# Altium PCB bqZUM_BT_328.PcbDoc (part 2 of 2)
Units mm, origin at the board's own origin, x right, y up, seen from the top; angles counter-clockwise.
Board outline 68.58 x 53.34 mm, 2 copper layers (Top Layer, Bottom Layer), stack 1.571 mm thick; 101 components, 75 nets, 426 pads, 143 vias.
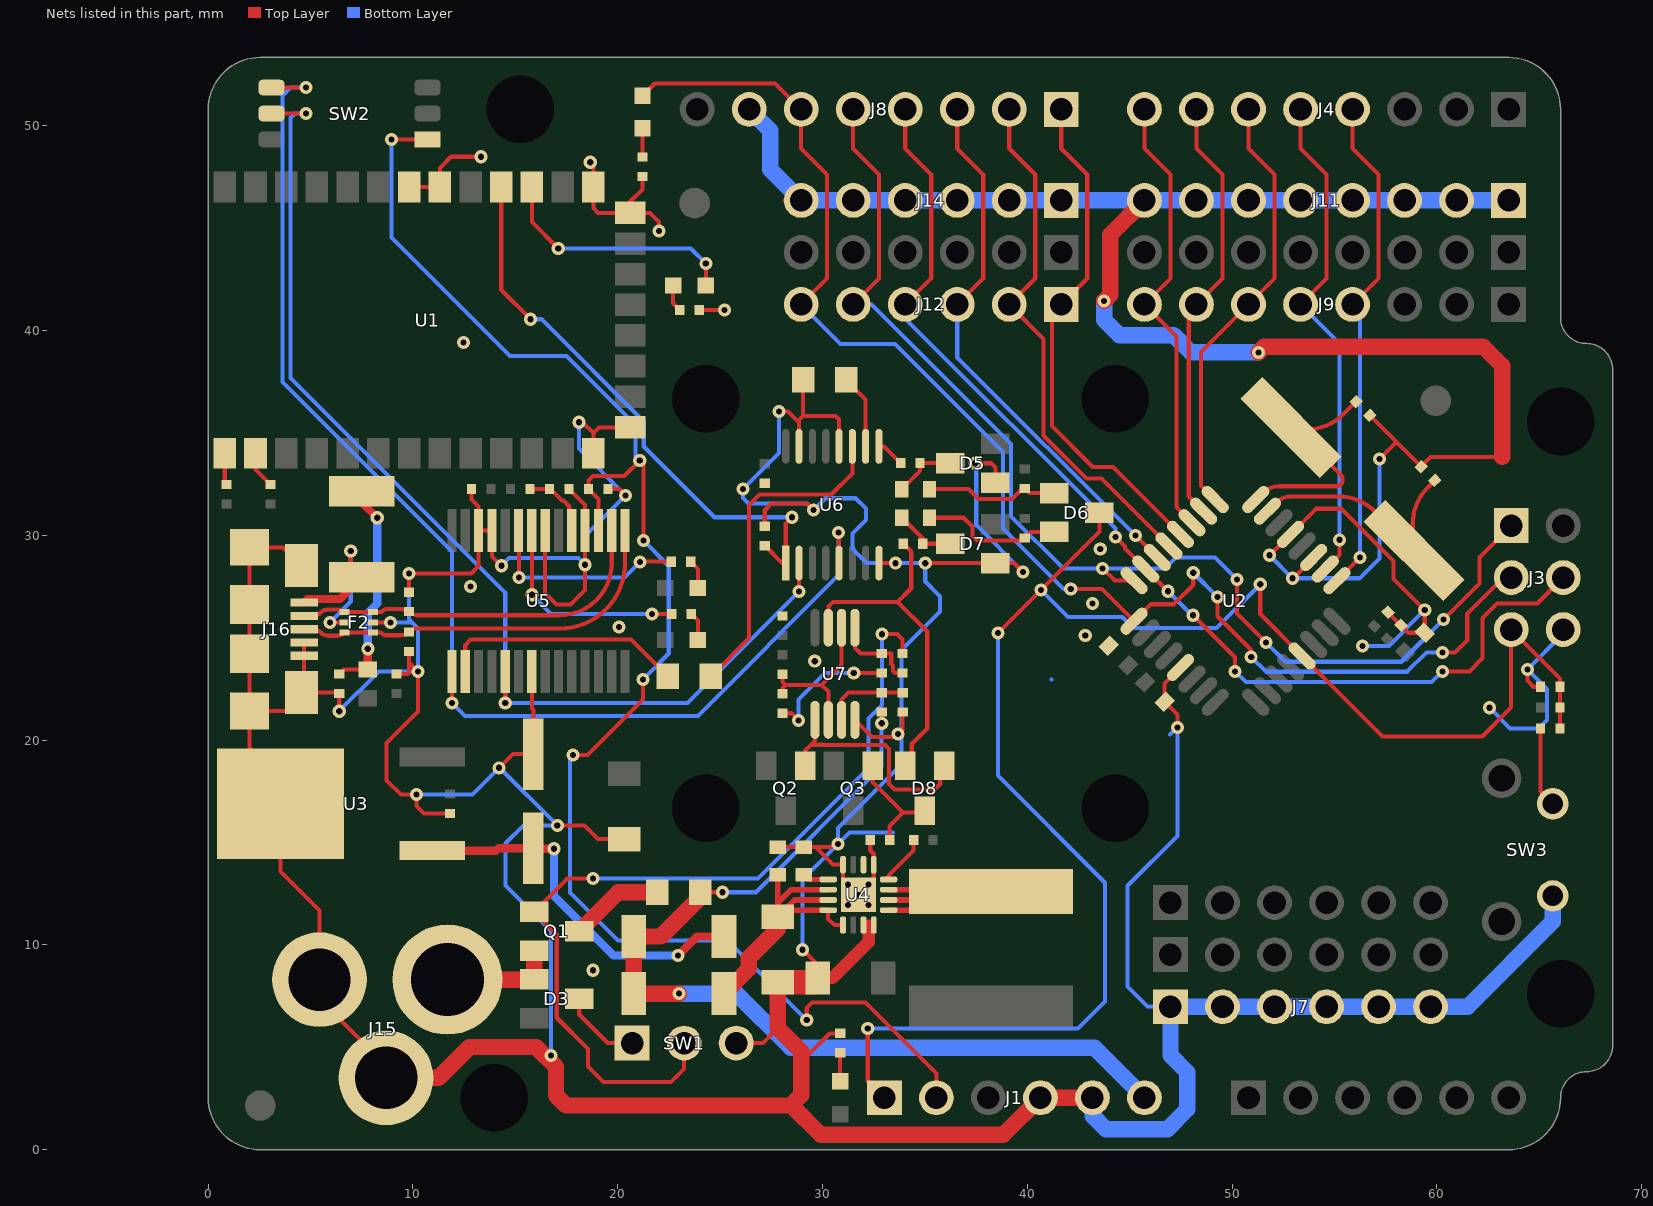
[diagram p2: the nets of this part, all layers, seen from the top]

## Via types
v1: diameter 0.64, hole 0.3, Top Layer to Bottom Layer, 143 vias

## Nets (pads, with @x,y where several pads share a name; then routed paths per layer and width w, separated by ;. In a path a pad name is that pad's centre, name@x,y a point inside that pad or via, vN(x,y) a via of type N, cw(c..) or ccw(c..) an arc to the next point about the centre after c; other vN are vias at no path point) (continued)
D3: J4.4 J9.4 U2.1 | length 24.7
  Top Layer w0.2: U2.1@55.115,27.787 v1(56.245,28.917) ; J9.4@55.88,41.275 57.15,42.545 57.15,47.625 55.88,48.895 J4.4@55.88,50.8
  Bottom Layer w0.2: J9.4@55.88,41.275 56.245,40.91 v1(56.245,28.917)
D4: J4.5 J9.5 U2.2 | length 24.6
  Top Layer w0.2: J9.5@53.34,41.275 54.61,42.545 54.61,47.625 53.34,48.895 J4.5@53.34,50.8 ; U2.2@54.549,28.353 55.244,29.048 v1(55.244,29.783)
  Bottom Layer w0.2: J9.5@53.34,41.275 55.244,39.371 v1(55.244,29.783)
D5: J4.6 J9.6 U2.9 | length 21.4
  Top Layer w0.2: U2.9@49.175,31.747 48.48,32.442 48.48,38.955 J9.6@50.8,41.275 52.07,42.545 52.07,47.625 50.8,48.895 J4.6@50.8,50.8
D6: J4.7 J9.7 U2.10 | length 20.8
  Top Layer w0.2: J9.7@48.032,41.047 47.882,40.897 47.882,31.908 U2.10@48.609,31.181 ; J9.7@48.26,41.275 49.53,42.545 49.53,47.625 48.26,48.895 J4.7@48.26,50.8
D7: J4.8 J9.8 U2.11 | length 22.2
  Top Layer w0.2: J4.8@45.72,50.8 45.72,48.895 46.99,47.625 46.99,42.545 J9.8@45.72,41.275 47.279,39.716 47.279,31.38 U2.11@48.044,30.615
D8: J8.1 J12.1 U2.12 | length 25.2
  Top Layer w0.2: J8.1@41.656,50.8 41.656,48.895 42.926,47.625 42.926,42.545 J12.1@41.656,41.275 41.197,40.816 41.197,35.336 43.195,33.338 44.19,33.338 U2.12@47.478,30.05
D9: J8.2 J12.2 U2.13 | length 26
  Top Layer w0.2: J8.2@39.116,50.8 39.116,48.895 40.386,47.625 40.386,42.545 J12.2@39.116,41.275 40.793,39.598 40.793,34.865 42.883,32.775 43.621,32.775 U2.13@46.912,29.484
D10: J8.3 J12.3 U2.14 | length 27
  Top Layer w0.2: J12.3@36.576,41.275 37.846,42.545 37.846,47.625 36.576,48.895 J8.3@36.576,50.8 ; v1(45.275,29.99) U2.14@46.347,28.918
  Bottom Layer w0.2: J12.3@36.576,41.275 36.576,38.689 v1(45.275,29.99)
D11: J3.4 J8.4 J12.4 U2.15 | length 54.7
  Top Layer w0.2: J12.4@34.036,41.275 35.306,42.545 35.306,47.625 34.036,48.895 J8.4@34.036,50.8 ; v1(44.297,29.925) 44.776,29.446 44.776,29.358 U2.15@45.781,28.353 ; U2.15@45.791,28.353 v1(46.873,27.271) ; v1(48.091,26.099) 50.142,24.048 v1(50.142,23.356) ; v1(60.269,23.357) 61.587,23.357 62.231,24.001 62.231,25.966 62.938,26.673 64.9,26.673 J3.4@66.167,27.94
  Bottom Layer w0.2: J12.4@34.036,41.275 34.036,40.6 44.297,30.339 v1(44.297,29.925) ; v1(46.873,27.271) v1@48.045,26.099 ; v1@48.036,26.099 v1@48.045,26.099 ; v1(48.091,26.099) v1@48.045,26.099 ; v1@50.143,23.357 50.669,22.831 59.743,22.831 v1(60.269,23.357) v1@60.268,23.356
D12: J3.1 J8.5 J12.5 U2.16 | length 58.7
  Top Layer w0.2: J12.5@31.496,41.275 32.766,42.545 32.766,47.625 31.496,48.895 J8.5@31.496,50.8 ; v1(43.678,28.379) 44.27,27.787 U2.16@45.215,27.787 ; v1(50.238,27.851) 50.238,26.188 v1(51.662,24.764) ; v1(60.327,25.896) 62.077,27.646 62.077,28.93 J3.1@63.627,30.48
  Bottom Layer w0.2: J12.5@31.496,41.275 32.4,41.275 39.21,34.465 39.21,30.931 41.762,28.379 v1(43.678,28.379) 46.728,28.379 47.264,28.915 49.174,28.915 v1(50.238,27.851) ; v1(51.662,24.764) 52.598,23.828 58.259,23.828 v1(60.327,25.896)
D13: D13.A J3.3 J8.6 J12.6 U2.17 | length 69.1
  Top Layer w0.2: D13.A@21.209,51.473 21.806,52.07 27.686,52.07 J8.6@28.956,50.8 28.956,48.895 30.226,47.625 30.226,42.545 J12.6@28.956,41.275 ; v1(42.121,27.38) 43.642,27.38 U2.17@45.215,25.807 46.045,26.637 47.16,26.637 48.103,27.58 v1(48.103,28.174) ; v1(49.295,26.982) 49.295,26.05 50.931,24.414 v1(50.931,24.068) ; v1(60.268,24.274) 60.878,24.274 61.484,24.88 61.484,26.174 63.25,27.94 J3.3@63.627,27.94
  Bottom Layer w0.2: J12.6@28.956,41.275 30.88,39.351 33.538,39.351 38.81,34.079 38.81,30.333 41.763,27.38 v1(42.121,27.38) ; v1(48.103,28.174) v1(49.295,26.982) ; v1(50.931,24.068) 51.658,23.341 58.55,23.341 59.483,24.274 v1(60.268,24.274)
GND: C1.1 C2.1 C3.1 C4.1 C5.1 C6.1 C7.1 C8.2 C9.2 C10.1 C11.1 C12.1 C13.1 C14.1 C15.1 C16.1 C17.1 C18.1 C19.1 C20.1 C21.2 C22.2 C25.2 D5.1 D7.1 F2.2 J1.4 J1.5 J3.6 J7.1 J7.2 J7.3 J7.4 J7.5 J7.6 J8.7 J11.1 J11.2 J11.3 J11.4 J11.5 J11.6 J11.7 J11.8 J14.1 J14.2 J14.3 J14.4 J14.5 J14.6 J15.2 J15.3 J16.4 J16.5 J16.S1 J16.S2 J16.S3 J16.S4 J16.S5 J16.S6 R3.1 R4.1 R5.1 R11.1 R12.1 R18.1 R22.1 R24.1 R25.1 R26.1 SW1.3 SW3.2 U1.13 U1.14 U1.21 U1.22 U1.27 U1.28 U2.3 U2.5 U2.21 U3.2 U4.5 U4.6 U4.8 U4.15 U4.16 U5.7 U5.18 U5.21 U5.25 U5.26 U6.8 U6.12 U6.15 U7.4 | length 467.4
  Top Layer w0.2: J16.S5@4.562,28.517 3.662,29.417 J16.S1@2.012,29.417 J16.S2@2.012,26.617 J16.S3@2.012,24.217 J16.S4@2.012,21.417 ; J16.S6@4.687,22.442 J16.5@4.687,24.117 J16.4@4.687,24.767 ; C16.1@6.355,22.317 J16.S6@4.562,22.317 4.562,22.209 3.77,21.417 J16.S4@2.012,21.417 ; v1(6.397,21.413) C16.1@6.397,22.275 ; F2.2@8.05,25.75 v1(8.91,25.75) ; J15.2@8.684,3.506 8.684,4.102 5.434,7.352 J15.3@5.434,8.306 5.434,11.69 3.539,13.585 U3.2@3.539,16.891 3.539,18.096 2.012,19.623 J16.S4@2.012,21.417 ; C17.1@9.191,23.225 9.737,23.225 9.8,23.288 9.8,23.798 ; C20.1@9.8,24.325 9.8,23.798 ; C19.1@9.8,27.225 v1(9.8,28.142) 12.846,28.142 13.204,28.5 U5.26@13.204,30.247 ; U1.28@9.809,47.01 U1.27@11.309,47.01 11.309,47.935 11.862,48.488 v1(13.329,48.488) ; C10.1@11.811,16.416 10.532,16.416 10.165,16.783 v1(10.165,17.338) 9.409,17.338 8.715,18.032 8.715,19.852 10.251,21.388 v1(10.251,23.347) 9.8,23.798 ; C15.1@12.86,32.258 12.86,31.748 13.204,31.404 U5.26@13.204,30.247 ; v1(14.206,18.649) 14.875,19.318 C8.2@15.875,19.318 15.875,21.479 15.804,21.55 U5.7@15.804,23.347 ; v1(14.317,28.515) 13.854,28.978 U5.25@13.854,30.247 U5.26@13.204,30.247 ; U5.21@16.454,30.247 16.454,27.193 17.015,26.632 17.697,26.632 18.404,27.339 v1(18.404,28.567) U5.18@18.404,30.247 18.404,31.474 C18.1@17.62,32.258 ; v1(17.048,15.838) 18.369,15.838 19.043,15.164 C9.2@20.32,15.164 ; v1(18.105,35.522) 18.288,35.522 18.81,35 ; v1(18.654,48.219) 18.81,48.064 U1.22@18.81,47.01 18.81,45.979 19.038,45.75 U1.21@20.609,45.75 ; U1.13@18.81,34.01 18.81,35 ; C21.2@19.525,32.258 20.079,32.258 v1(20.386,31.951) ; U1.14@20.609,35.27 19.079,35.27 18.81,35 ; R4.1@21.209,47.531 21.209,46.893 20.609,46.294 U1.21@20.609,45.75 ; v1(22.018,44.868) 22.018,45.313 21.581,45.75 U1.21@20.609,45.75 ; R3.1@23.975,41.01 v1(25.207,41.01) v1@25.37,41.173 ; SW1.3@25.781,5.207 27.081,5.207 27.813,5.939 ; R12.1@27.178,30.447 27.178,31.226 27.505,31.553 29.257,31.553 v1(29.565,31.245) ; C12.1@27.813,14.772 C13.1@29.083,14.772 29.654,14.772 ; v1(27.875,36.043) 28.318,36.043 28.855,35.506 ; R24.1@28.044,21.315 28.473,21.315 v1(28.821,20.967) ; J14.6@28.14,46.355 J14.6@28.956,46.355 ; U6.15@28.855,34.346 28.855,35.506 ; v1(29.016,9.766) 29.769,9.013 C14.1@29.769,8.382 ; R11.1@29.049,37.592 29.049,35.833 ; 29.215,4.547 30.351,5.682 R5.1@30.861,5.682 ; v1@30.594,14.772 29.654,14.772 ; U6.12@30.805,34.346 30.805,35.668 30.64,35.833 29.049,35.833 ; v1(31.25,12.946) 31,13.196 U4.8@31,13.921 30.505,13.921 29.654,14.772 ; v1(31.526,23.28) R25.1@32.887,23.28 ; U7.4@31.582,20.991 32.41,20.163 33.585,20.163 33.911,20.489 R22.1@33.911,21.369 ; R26.1@32.327,15.125 32.327,14.624 32.5,14.451 U4.5@32.5,13.921 U4.16@32.5,13.196 ; U6.8@32.76,28.641 v1(33.555,28.641) ; v1(35.015,28.641) D7.1@38.438,28.641 39.361,28.641 v1(39.793,28.209) ; v1(37.458,33.523) 38.22,33.523 38.438,33.305 D5.1@38.438,32.578 ; v1(47.328,20.623) 47.328,21.252 C5.1@46.705,21.875 46.705,22.772 U2.21@47.478,23.544 ; v1@51.794,28.991 U2.5@52.852,30.05 54.1,31.298 55.339,31.298 57.889,28.748 57.889,27.865 v1(59.405,26.348) C3.1@59.405,25.242 58.614,25.242 C2.1@58.248,25.609 C1.1@57.613,26.244 ; v1(52.956,27.904) 52.969,27.904 U2.3@53.983,28.918 ; C6.1@56.724,35.859 C7.1@59.227,33.356 59.696,33.825 63.194,33.825 ; v1(57.191,33.727) 58.022,34.558 ; v1(64.419,23.447) 64.419,22.913 64.726,22.606 R18.1@65.057,22.606 ; 28.855,35.506 28.855,35.639 29.049,35.833
  Top Layer w0.6: C14.1@29.769,8.382 30.487,8.382 32.25,10.145 32.25,10.935
  Top Layer w0.8: J15.2@8.684,3.506 11.25,3.506 12.76,5.016 13.047,5.016 13.049,5.018 16.011,5.018 16.984,4.045 16.984,2.652 17.477,2.159 28.481,2.159 29.913,0.727 38.827,0.727 J1.4@40.64,2.54 J1.5@43.18,2.54 ; C11.1@27.813,8.179 27.813,5.939 28.956,4.796 28.956,2.667 28.448,2.159 ; v1(43.751,41.445) 44.048,41.742 44.048,44.683 J11.8@45.72,46.355 ; v1(51.286,38.937) 51.559,39.21 62.269,39.21 63.194,38.285 63.194,33.825
  Top Layer w1.2: C11.1@27.813,8.179 C14.1@29.566,8.179
  Bottom Layer w0.2: v1(6.397,21.413) 8.331,23.347 v1(10.251,23.347) 10.251,25.454 9.955,25.75 ; v1@9.189,25.75 9.955,25.75 ; v1(9.8,28.142) 9.8,25.905 9.955,25.75 ; v1(10.165,17.338) 12.895,17.338 v1(14.206,18.649) 14.237,18.649 v1(17.048,15.838) 15.397,15.838 14.523,14.964 14.523,12.893 16.734,10.682 v1(16.734,4.601) ; v1(14.317,28.515) 14.689,28.887 18.084,28.887 v1(18.404,28.567) 18.404,29.969 v1(20.386,31.951) 18.105,34.232 v1(18.105,35.522) ; v1(27.875,36.043) 27.875,34.019 v1(26.117,32.261) 26.117,31.815 26.373,31.559 29.251,31.559 v1(29.565,31.245) 30.133,31.813 31.619,31.813 32.125,31.307 32.125,30.76 31.46,30.095 31.46,29.339 32.158,28.641 v1(33.555,28.641) v1(35.015,28.641) 35.015,27.748 35.744,27.019 35.744,26.277 33.863,24.396 33.863,18.813 30.751,15.701 v1(30.751,14.929) ; v1(28.821,20.967) 28.821,21.98 30.121,23.28 v1(31.526,23.28) ; v1(29.016,9.766) 29.016,13.194 v1(30.751,14.929) ; 33.445,15.491 31.313,15.491 v1(30.751,14.929) ; v1@37.507,33.474 37.507,30.495 v1(39.793,28.209) ; 41.176,22.969 41.179,22.969 ; 46.974,20.269 v1(47.328,20.623) 47.328,15.328 44.89,12.89 44.89,7.96 45.865,6.985 J7.1@46.99,6.985 ; v1(51.831,29.029) v1(52.956,27.904) 56.219,27.904 57.191,28.876 v1(57.191,33.727) ; v1(56.371,24.604) 57.661,24.604 v1(59.405,26.348) ; v1(62.566,21.583) 63.576,20.573 64.967,20.573 65.371,20.977 65.371,22.495 v1(64.419,23.447) J3.6@66.167,25.195
  Bottom Layer w0.8: J8.7@26.416,50.8 27.446,49.77 27.446,47.865 J14.6@28.956,46.355 J14.5@31.496,46.355 J14.4@34.036,46.355 J14.3@36.576,46.355 J14.2@39.116,46.355 J14.1@41.656,46.355 J11.8@45.72,46.355 J11.7@48.26,46.355 J11.6@50.8,46.355 J11.5@53.34,46.355 J11.4@55.88,46.355 J11.3@58.42,46.355 J11.2@60.96,46.355 J11.1@63.5,46.355 ; J1.5@43.18,2.54 43.18,1.665 43.84,1.005 46.844,1.005 47.814,1.975 47.814,3.786 46.99,4.61 J7.1@46.99,6.985 J7.2@49.53,6.985 J7.3@52.07,6.985 J7.4@54.61,6.985 J7.5@57.15,6.985 J7.6@59.69,6.985 61.501,6.985 65.659,11.143 SW3.2@65.659,12.391 ; v1(43.751,41.445) 43.751,40.519 44.491,39.779 47.137,39.779 47.979,38.937 v1(51.286,38.937)
  other v1: 18.796,8.763 31.25,11.946 32.25,11.946 31.75,12.446 32.25,12.946 33.688,20.304 29.62,23.856 42.83,25.102 20.066,25.527 43.18,26.67 12.809,27.498 43.561,29.337 12.461,39.411
NetBT_A: BT.A U1.24 | length 12.1
  Top Layer w0.2: U1.24@15.809,47.01 15.809,45.298 v1(17.094,44.014) ; v1(24.299,43.279) v1(24.299,43.279) BT.A@24.3,42.2
  Bottom Layer w0.2: v1(17.094,44.014) 23.564,44.014 v1(24.299,43.279)
NetBT_K: BT.K R3.2 | length 1.3
  Top Layer w0.2: BT.K@22.7,42.2 22.7,41.335 R3.2@23.025,41.01
NetC6_2: C6.2 U2.8 Y1.1 | length 9.4
  Top Layer w0.2: U2.8@51.155,31.747 51.46,32.052 cw(c52.3,31.213) 52.3,32.4 55.1,32.4 ccw(c55.1,32.7) 55.4,32.7 ccw(c55.014,32.7) 55.287,32.973 Y1.1@54.68,33.58 ; Y1.1@52.875,35.263 cw(c52.875,34.969) 53.083,35.177 53.646,35.177 ccw(c53.646,37.717) 55.442,35.921 C6.2@56.052,36.531
NetC7_2: C7.2 U2.7 Y1.2 | length 9.5
  Top Layer w0.2: U2.7@51.721,31.181 52.114,31.574 cw(c52.9,30.788) 52.9,31.9 55.186,31.9 cw(c55.186,29.36) Y1.2@56.982,31.156 ; Y1.2@58.885,29.253 cw(c58.885,29.345) 58.82,29.28 58.82,30.553 cw(c61.36,30.553) 59.564,32.35 C7.2@59.899,32.684
NetC8_1: C8.1 D2.K U3.1 | length 18.2
  Top Layer w0.4: U3.1@10.939,14.601 14.052,14.601 14.169,14.718 C8.1@15.875,14.718 ; C8.1@15.897,14.696 v1(16.889,14.696) ; v1(22.941,9.484) 23.871,10.414 D2.K@25.187,10.414
  Bottom Layer w0.4: v1(16.889,14.696) 16.889,12.396 19.801,9.484 v1(22.941,9.484)
NetC11_2: C11.2 C12.2 D4.K U4.10 U4.11 U4.12 U4.13 | length 16.3
  Top Layer w0.2: 27.813,12.047 C11.2@27.813,11.379 C11.2@28.13,11.696 ; U4.12@30.275,11.696 30.275,11.276 30.58,10.971 U4.13@31,10.971
  Top Layer w0.28: C12.2@27.813,13.422 27.813,12.047 28.462,12.696 U4.10@30.275,12.696 ; U4.12@30.275,11.696 28.13,11.696 28.63,12.196 U4.11@30.275,12.196
  Top Layer w0.8: D4.K@25.187,7.112 D4.K@25.187,7.603 ; D4.K@25.187,7.62 26.399,8.832 26.399,9.365 27.813,10.779 C11.2@27.813,11.379
NetC13_2: C13.2 U4.9 | length 1
  Top Layer w0.254: C13.2@29.309,13.196 U4.9@30.275,13.196
NetC16_2: C16.2 F1.2 L3.1 | length 10.7
  Top Layer w0.2: C16.2@6.397,23.225 6.622,23.45 L3.1@7.794,23.45
  Top Layer w0.4: F1.2@7.49,32.15 7.49,31.626 v1(8.255,30.861) ; L3.1@7.794,23.45 v1(7.794,24.464)
  Bottom Layer w0.4: v1(7.794,24.464) 7.794,26.209 8.255,26.67 v1(8.255,30.861)
NetC18_2: C18.2 R7.1 U5.19 | length 3.4
  Top Layer w0.2: R7.1@15.715,32.258 C18.2@16.67,32.258 ; C18.2@16.721,32.258 17.271,31.708 17.342,31.708 17.629,31.421 17.629,30.372 U5.19@17.754,30.247
NetC23_1: C23.1 D5.3 R14.2 | length 3.1
  Top Layer w0.2: C23.1@33.869,32.258 34.765,33.154 R14.2@34.765,33.528 D5.3@36.238,33.528
NetC23_2: C23.2 D6.1 R13.1 | length 6.6
  Top Layer w0.2: C23.2@35.219,32.258 37.134,32.258 37.614,31.778 39.262,31.778 39.775,32.291 R13.1@39.878,32.291 40.104,32.065 D6.1@41.318,32.065
NetC24_1: C24.1 D7.3 R19.2 | length 3
  Top Layer w0.2: C24.1@33.869,30.861 34.892,29.838 R19.2@34.892,29.591 D7.3@36.238,29.591
NetC24_2: C24.2 D6.2 R17.1 | length 7
  Top Layer w0.2: C24.2@35.219,30.861 36.882,30.861 37.315,30.428 37.315,29.971 37.545,29.741 39.741,29.741 R17.1@39.878,29.878 40.165,30.165 D6.2@41.318,30.165
NetD3_1: D3.1 J15.1 Q1.2 | length 5.6
  Top Layer w0.8: J15.1@11.684,8.306 15.911,8.306 15.919,8.314 Q1.2@15.919,9.718
NetD3_3: D3.3 SW1.1 | length 3.9
  Top Layer w0.2: D3.3@18.118,7.366 18.118,6.599 19.51,5.207 SW1.1@20.701,5.207
NetD8_1: D8.1 Q2.1 U7.1 | length 11.6
  Top Layer w0.2: Q2.1@29.144,18.753 29.144,19.487 29.43,19.773 ; U7.1@29.632,20.991 29.632,19.975 29.43,19.773 ; D8.1@35.748,18.661 35.748,17.864 35.476,17.592 33.513,17.592 33.246,17.859 33.246,19.577 33.06,19.763 31.225,19.763 31.222,19.766 30.065,19.766 30.058,19.773 29.43,19.773
NetD8_2: D8.2 R19.1 U7.7 | length 16.8
  Top Layer w0.2: U7.7@30.282,25.491 30.282,26.529 30.508,26.755 33.67,26.755 ; R19.1@33.942,29.591 34.332,29.201 34.332,27.417 33.67,26.755 ; D8.2@34.356,18.661 34.356,19.805 35.113,20.562 35.113,25.312 33.67,26.755
NetD8_3: D8.3 Q3.1 R26.2 | length 5.7
  Top Layer w0.2: Q3.1@32.446,18.753 32.446,17.946 33.931,16.461 ; R26.2@33.277,15.125 33.277,15.807 33.931,16.461 ; D8.3@35.158,16.461 33.931,16.461
NetD13_K: D13.K R4.2 | length 1.4
  Top Layer w0.2: R4.2@21.209,48.481 D13.K@21.209,49.873
NetF1_1: F1.1 F2.5 J16.1 | length 9.7
  Top Layer w0.2: v1(5.95,25.75) F2.5@6.65,25.75 ; v1(6.961,29.238) 6.961,27.95 F1.1@7.49,27.95 F1.1@7.32,27.78
  Top Layer w0.4: J16.1@4.687,26.717 4.858,26.888 6.428,26.888 F1.1@7.32,27.78
  Bottom Layer w0.2: v1(5.95,25.75) 6.961,26.761 v1(6.961,29.238)
NetL1_1: L1.1 Q1.3 | length 4.6
  Top Layer w0.8: Q1.3@18.119,10.668 20.023,12.573 L1.1@21.937,12.573
NetL2_1: L2.1 U4.1 U4.2 U4.3 | length 13.6
  Top Layer w0.28: U4.1@33.225,11.696 L2.1@37.316,11.696 ; U4.2@33.225,12.196 L2.1@37.816,12.196 ; U4.3@33.225,12.696 L2.1@38.144,12.696
NetPWR_K: PWR.K R5.2 | length 1.4
  Top Layer w0.2: PWR.K@30.861,3.34 R5.2@30.861,4.732
NetQ1_1: Q1.1 R23.2 SW1.2 | length 43
  Top Layer w0.2: v1@18.79,13.234 17.535,13.234 Q1.1@15.919,11.618 17.021,10.516 17.021,6.443 18.542,4.922 18.542,4.064 19.304,3.302 22.606,3.302 23.241,3.937 SW1.2@23.241,5.207 ; v1(32.897,25.174) 33.646,25.174 33.906,24.914 R23.2@33.906,24.224
  Bottom Layer w0.2: v1@18.792,13.234 26.843,13.234 32.24,18.631 32.24,21.052 32.897,21.709 v1(32.897,25.174)
  other v1: 18.791,13.235
NetR1_1: R1.1 U1.1 | length 1.5
  Top Layer w0.2: R1.1@0.809,32.559 U1.1@0.809,34.01
NetR2_1: R2.1 U1.2 | length 1.8
  Top Layer w0.2: U1.2@2.31,34.01 2.31,33.218 R2.1@3.048,32.479
NetR6_1: R6.1 U4.4 | length 2.4
  Top Layer w0.2: U4.4@33.225,13.196 33.225,13.38 34.45,14.605 R6.1@34.45,15.125
NetR8_1: R8.1 U5.23 | length 10
  Top Layer w0.2: v1(15.181,27.946) U5.23@15.181,30.22 ; v1@21.095,28.715 R8.1@22.613,28.715
  Bottom Layer w0.2: v1(15.181,27.946) 20.326,27.946 v1(21.082,28.702)
NetR8_2: R8.2 RX.K | length 1.4
  Top Layer w0.2: R8.2@23.563,28.715 23.914,28.364 RX.K@23.914,27.432
NetR9_1: R9.1 U5.22 | length 10.4
  Top Layer w0.2: v1(15.809,27.099) U5.22@15.809,30.242 ; v1(21.673,26.162) R9.1@22.639,26.162
  Bottom Layer w0.2: v1(15.809,27.099) 16.746,26.162 v1(21.673,26.162)
NetR9_2: R9.2 TX.K | length 1.4
  Top Layer w0.2: R9.2@23.589,26.162 23.914,25.837 TX.K@23.914,24.892
NetR10_1: R10.1 U5.2 | length 12
  Top Layer w0.2: U5.2@12.554,23.347 12.554,24.644 12.815,24.905 20.654,24.905 R10.1@22.445,23.114
NetR10_2: R10.2 U6.11 | length 16.1
  Top Layer w0.2: R10.2@24.545,23.114 26.409,24.978 26.409,31.472 26.928,31.991 30.424,31.991 31.455,33.022 U6.11@31.455,34.346
NetR11_2: R11.2 U6.10 | length 3.6
  Top Layer w0.2: R11.2@31.149,37.592 32.105,36.636 U6.10@32.105,34.346
NetR12_2: R12.2 U1.25 U6.1 | length 28.3
  Top Layer w0.2: U1.25@14.309,47.01 14.309,41.985 v1(15.739,40.555) ; R12.2@27.178,29.497 28.029,28.646 U6.1@28.205,28.646 28.205,30.577 v1(28.512,30.884)
  Bottom Layer w0.2: v1(15.739,40.555) 16.268,40.555 21.269,35.554 21.269,34.334 24.719,30.884 v1(28.512,30.884)
NetR14_1: R14.1 U6.9 | length 1.4
  Top Layer w0.2: U6.9@32.755,34.346 32.997,34.346 R14.1@33.815,33.528
NetR16_1: R16.1 SW3.1 | length 3.9
  Top Layer w0.2: R16.1@65.057,20.574 65.057,17.493 SW3.1@65.659,16.891
NetR20_1: R20.1 R22.2 U7.3 | length 4.1
  Top Layer w0.2: U7.3@30.932,20.991 30.932,21.983 31.267,22.318 R22.2@33.911,22.319
NetR21_1: R21.1 R24.2 U7.2 U7.6 | length 7.9
  Top Layer w0.2: R24.2@28.044,22.265 28.044,22.55 28.194,22.7 ; R21.1@28.044,23.215 28.044,22.85 28.194,22.7 ; U7.2@30.282,20.991 30.282,22.37 29.952,22.7 ; U7.6@30.932,25.491 30.932,23.68 29.952,22.7 ; 28.194,22.7 29.952,22.7
NetR23_1: R23.1 R25.2 U7.5 | length 4.3
  Top Layer w0.2: U7.5@31.582,25.491 31.582,24.508 31.866,24.224 R25.2@32.893,24.224 33.356,24.224 33.356,23.71 33.443,23.623 33.443,23.367 33.536,23.274 R23.1@33.906,23.274
POWER: D2.A D4.A J1.6 L1.2 R20.2 | length 48.2
  Top Layer w0.2: L1.2@24.037,12.573 v1(25.108,12.573) ; v1(32.889,20.822) R20.2@32.889,21.365
  Top Layer w0.8: v1(22.987,7.62) D4.A@20.787,7.62 D2.A@20.787,10.414 22.107,10.414 24.037,12.344 L1.2@24.037,12.573
  Bottom Layer w0.2: v1(25.108,12.573) 26.748,12.573 32.888,18.713 v1(32.889,20.822)
  Bottom Layer w0.8: v1(22.987,7.62) 25.803,7.62 28.448,4.975 43.285,4.975 J1.6@45.72,2.54
UC_RESET: D6.3 J1.1 J3.5 R15.1 R16.2 R18.2 U2.29 | length 83.6
  Top Layer w0.2: v1(32.207,5.918) 32.207,3.353 J1.1@33.02,2.54 J1.1@32.372,3.188 ; v1(38.562,25.224) v1@40.669,27.331 ; v1(40.669,27.335) 43.518,30.184 D6.3@43.518,31.115 ; v1(51.374,27.611) 51.374,26.153 U2.29@53.418,24.11 57.349,20.179 62.214,20.179 63.622,21.587 63.622,25.395 J3.5@63.627,25.4 66.007,23.02 R18.2@66.007,22.606 R15.1@66.007,21.59 R16.2@66.007,20.574
  Bottom Layer w0.2: v1(32.207,5.918) 42.476,5.918 43.791,7.233 43.791,13.037 38.562,18.266 v1(38.562,25.224) ; v1(40.669,27.335) 41.992,26.012 44.636,26.012 45.169,25.479 49.243,25.479 v1(51.374,27.611)
USB_3V: C21.1 J1.2 SW2.1 U5.17 | length 77.5
  Top Layer w0.2: v1(8.944,49.33) SW2.1@10.71,49.33 ; v1(17.819,19.273) 18.531,19.273 21.236,21.978 v1(21.236,22.969) ; U5.17@19.054,30.247 19.054,31.779 C21.1@18.575,32.258 18.575,32.684 18.782,32.891 20.316,32.891 v1(21.075,33.65) 21.261,33.464 v1(21.261,29.742) ; v1(29.227,6.334) 29.227,6.926 29.481,7.18 32.098,7.18 35.56,3.718 J1.2@35.56,2.54
  Bottom Layer w0.2: v1(8.944,49.33) 8.944,44.543 14.731,38.756 17.501,38.756 20.869,35.388 20.869,33.856 v1(21.075,33.65) ; v1(17.819,19.273) 17.669,19.123 17.669,12.549 20.005,10.213 25.348,10.213 v1(29.227,6.334) ; v1(21.236,22.969) 22.489,24.222 22.489,28.514 v1(21.261,29.742)
USB_MCU_N: C19.2 F2.3 F2.4 J16.2 U5.16 | length 18.5
  Top Layer w0.2: J16.2@4.687,26.067 5.09,26.067 ccw(c5.09,26.66) 5.509,26.241 cw(c5.822,25.928) 5.822,26.37 6.36,26.37 cw(c6.36,25.96) F2.4@6.638,26.261 ; F2.4@6.591,26.25 ccw(c6.591,26.356) F2.4@6.638,26.261 ; F2.4@6.666,26.281 cw(c6.591,26.356) F2.4@6.638,26.261 ; U5.16@19.704,30.247 19.704,28.64 cw(c17.164,28.64) 17.164,26.1 10.222,26.1 cw(c10.222,26.697) C19.2@9.8,26.275 ; F2.4@6.638,26.261 cw(c6.36,25.96) F2.4@6.65,26.25 F2.3@8.05,26.25 8.379,26.25 ccw(c8.379,26.421) 8.5,26.3 cw(c8.741,26.059) 8.741,26.4 9.378,26.4 cw(c9.378,25.888) C19.2@9.74,26.25 ; C19.2@9.74,26.25 ccw(c9.74,26.335) C19.2@9.8,26.275 ; C19.2@9.74,26.25 cw(c9.8,26.19) C19.2@9.8,26.275
USB_MCU_P: C20.2 F2.1 F2.6 J16.3 U5.15 | length 19.5
  Top Layer w0.2: J16.3@4.687,25.417 5.102,25.417 cw(c5.102,24.852) 5.501,25.251 ccw(c5.867,25.617) 5.867,25.1 6.3,25.1 ccw(c6.3,25.583) 6.641,25.241 F2.6@6.65,25.25 F2.1@8.05,25.25 8.379,25.25 cw(c8.379,25.079) 8.5,25.2 ccw(c8.693,25.393) 8.693,25.12 9.426,25.12 ccw(c9.426,25.649) C20.2@9.8,25.275 ; F2.6@6.591,25.25 ccw(c6.591,25.356) F2.6@6.666,25.281 ; C20.2@9.74,25.25 ccw(c9.74,25.335) C20.2@9.8,25.275 ; U5.15@20.354,30.247 20.354,28.64 cw(c17.164,28.64) 17.164,25.45 10.222,25.45 ccw(c10.222,24.853) C20.2@9.8,25.275
USB_RX: SW2.5 U5.5 U6.2 | length 55
  Top Layer w0.2: SW2.5@3.09,50.6 v1(4.772,50.6) ; v1@14.504,21.78 v1(14.504,21.814) U5.5@14.504,23.347 ; v1@28.855,27.255 U6.2@28.855,28.646
  Bottom Layer w0.2: v1(4.772,50.6) 4.228,50.6 4.02,50.392 4.02,37.684 14.504,27.2 v1(14.504,21.814) 23.416,21.814 v1(28.856,27.254)
USB_TX: SW2.4 U5.1 U6.5 | length 63.2
  Top Layer w0.2: SW2.4@3.09,51.87 v1(4.772,51.87) ; v1(11.904,21.814) U5.1@11.904,23.347 ; U6.5@30.805,28.646 v1@30.805,30.118
  Bottom Layer w0.2: v1(4.772,51.87) 4.025,51.87 3.62,51.465 3.62,37.494 11.904,29.21 v1(11.904,21.814) 12.535,21.183 23.911,21.183 30.784,28.056 v1(30.784,30.139)
pads on no net: FD1. FD2. FD3. SW3.3 SW3.4 U1.3 U1.4 U1.5 U1.6 U1.7 U1.8 U1.9 U1.10 U1.11 U1.15 U1.16 U1.17 U1.18 U1.19 U1.20 U1.23 U1.26 U1.29 U1.30 U1.31 U1.32 U1.33 U1.34 U2.19 U2.22 U5.3 U5.6 U5.8 U5.9 U5.10 U5.11 U5.12 U5.13 U5.14 U5.24 U5.27 U5.28 U6.13 U6.14

## Polygon pours and split planes (outlines as drawn)
GND on Top Layer "TL-GND" (hatched 90Degree grid 0.4 track 0.2, remove dead copper, pour order 4): 0,-0.007 68.5,-0.007 68.5,53.493 0,53.493
GND on Bottom Layer "BL-GND" (hatched 90Degree grid 0.4 track 0.2, remove dead copper, pour order 3): 0.001,-0.009 68.501,-0.009 68.501,53.491 0.001,53.491

## Keep-outs
Keep-Out Layer:
  circle w0.254: c24.287,36.653 r1.656
  circle w0.254: c44.28,36.66 r1.649
  circle w0.254: c44.288,16.728 r1.658
  circle w0.254: c24.29,16.66 r1.659
  circle w0.254: c13.97,2.54 r1.659
  circle w0.254: c66.04,7.62 r1.659
  circle w0.254: c66.04,35.56 r1.659
  circle w0.254: c15.24,50.8 r1.659
  lines w0.254: 0,2.54 ccw(c2.54,2.54) 2.54,0 63.5,0 ccw(c63.5,2.54) 66.04,2.54 cw(c67.31,2.54) 67.31,3.81 ccw(c67.31,5.08) 68.58,5.08 68.58,38.1 ccw(c67.31,38.1) 67.31,39.37 cw(c67.31,40.64) 66.04,40.64 66.04,50.8 ccw(c63.5,50.8) 63.5,53.34 2.54,53.34 ccw(c2.54,50.8) 0,50.8 0,2.54

## Other copper
Top Layer:
  rectangle net NetC11_2: 27.892,12.618 28.67,12.836
  rectangle net NetC11_2: 27.733,11.674 30.7,12.707
  rectangle net GND: 32.044,10.592 32.489,11.662
  rectangle net NetL2_1: 32.8,11.663 34.355,12.69
  rectangle net GND: 32.003,13.196 32.5,14.346
Bottom Layer:
  rectangle net GND: 30.249,10.944 33.252,13.946

## Silkscreen, mask and mechanical layers (free items; w line width, h text height)
Top Overlay:
  circle w0.254: c61.8,31.2 r0.1
  lines w0.2: 21.25,20.07 22.07,20.07 ; 21.66,19.66 21.66,20.48 ; 25.42,49.53 25.42,47.91 27.45,47.91 27.42,47.94 27.42,49.53 ; 39.878,3.838 39.878,5.588 44.222,5.588 44.222,3.79
  lines w0.3: 34.032,38.354 34.036,38.354 ; 34.032,47.879 34.036,47.879 ; 36.572,38.354 36.576,38.354 ; 36.572,47.879 36.576,47.879 ; 39.112,38.354 39.116,38.354 ; 39.112,47.879 39.116,47.879 ; 48.256,38.354 48.26,38.354 ; 48.256,47.879 48.26,47.879 ; 50.796,38.354 50.8,38.354 ; 50.796,47.879 50.8,47.879 ; 55.876,38.354 55.88,38.354 ; 55.876,47.879 55.88,47.879
  text "AT" at 12.827,50.292 h2 r90
  text "D13" at 20.066,49.022 h2 r90
  text "P" at 12.827,48.768 h2 r90
  text "AR" at 22.733,48.133 h2
  text "11" at 33.143,48.133 h2
  text "9" at 38.735,48.133 h2
  text "8" at 41.275,48.133 h2
  text "7" at 45.339,48.133 h2
  text "6" at 47.879,48.133 h2
  text "5" at 50.419,48.133 h2
  text "4" at 52.959,48.133 h2
  text "3" at 55.499,48.139 h2
  text "2" at 58.039,48.133 h2
  text "1" at 60.579,48.133 h2
  text "0" at 63.119,48.133 h2
  text "G" at 25.88,48.12 h2
  text "13" at 28.067,48.106 h2
  text "12" at 30.607,48.106 h2
  text "10" at 35.687,48.106 h2
  text "G" at 26.035,45.683 h2
  text "V" at 26.035,43.18 h2
  text "S" at 26.222,40.64 h2
  text "BT" at 22.606,39.116 h2
  text "13" at 28.067,38.608 h2
  text "12" at 30.607,38.608 h2
  text "11" at 33.143,38.608 h2
  text "9" at 38.735,38.608 h2
  text "8" at 41.275,38.608 h2
  text "7" at 45.43,38.608 h2
  text "6" at 47.879,38.608 h2
  text "5" at 50.419,38.608 h2
  text "4" at 52.959,38.608 h2
  text "3" at 55.499,38.608 h2
  text "2" at 58.039,38.608 h2
  text "1" at 60.579,38.608 h2
  text "0" at 63.119,38.608 h2
  text "10" at 35.687,38.581 h2
  text "BT_RST_EN" at 27.178,35.687 h1.5
  text "ICSP" at 63.312,32.022 h2
  text "RX" at 25.146,26.924 h2
  text "TX" at 25.146,24.384 h2
  text "RST_EN" at 21.463,21.336 h1.5
  text "z" at 34.746,19.281 h9
  text "b" at 52.663,15.759 h6
  text "A0" at 45.974,13.716 h2
  text "A1" at 48.514,13.716 h2
  text "A2" at 50.927,13.716 h2
  text "A3" at 53.467,13.716 h2
  text "A4" at 56.134,13.716 h2
  text "A5" at 58.547,13.716 h2
  text "RST" at 63.373,13.335 h2 r90
  text "S" at 44.323,11.43 h2
  text "Rev.3" at 64.6,9.808 h1.52
  text "V" at 44.196,8.89 h2
  text "G" at 44.222,6.35 h2
  text "R" at 32.385,4.191 h2
  text "3V3" at 33.909,4.191 h2
  text "5V" at 37.338,4.191 h2
  text "VIN" at 44.45,4.191 h2
  text "A0" at 49.784,4.191 h2
  text "A1" at 52.324,4.191 h2
  text "A2" at 54.737,4.191 h2
  text "A3" at 57.277,4.191 h2
  text "A4" at 59.817,4.191 h2
  text "A5" at 62.357,4.191 h2
  text "GND" at 40.197,4.178 h2
  text "PWR" at 29.972,1.016 h2 r90
Bottom Overlay:
  drawing of 311 lines, arcs and shapes, not listed
  text "TX" at 62.1,48 h2
  text "RX" at 64.5,48 h2
  text "w" at 3.34,35.4 h7.5 r270
  text "c" at 5,27 h6.9 r270
  text "Made in Spain" at 3,19.7 h2.1 r270
  text "bitbloq.bq.com - www.bq.com" at 55.499,15.743 h2.07 r270
  text "Model: ZUM BT-328" at 57.5,15.722 h2.93 r270
  text "q" at 5.28,12.5 h6.2 r270
  text "Z" at 48.2,12.45 h29
  text "b" at 37.29,6 h7
  text "6 - 17 V" at 0.826,4.999 h2 r270
  text "SDA" at 60.6,3.6 h1.4 r270
  text "SCL" at 63.1,3.6 h1.4 r270
  text "OFF/ON" at 26.461,0.923 h2
Mechanical 1:
  the board outline again, w0.254
Mechanical 2:
  lines w0.254: -21.18,26.67 85.27,26.67 ; 2.9,17.6 2.9,38 ; 5.4,8.27 5.4,56.97 ; 10.52,8.68 10.52,57.38

## Dimensions
2.54,53.34 to 2.54,0 on Mechanical 1
68.58,38.1 to 0,50.8 on Mechanical 1

## Text inside footprints (layer, text, board x,y; h text height)
SW2: Top Overlay "3" at 9.44,51.616 h0.76 r90; Top Overlay "2" at 9.44,50.346 h0.76 r90; Top Overlay "1" at 9.44,49.203 h0.76 r90